# KiCad board Phoenix612 Complete v1.1.kicad_pcb (continued)
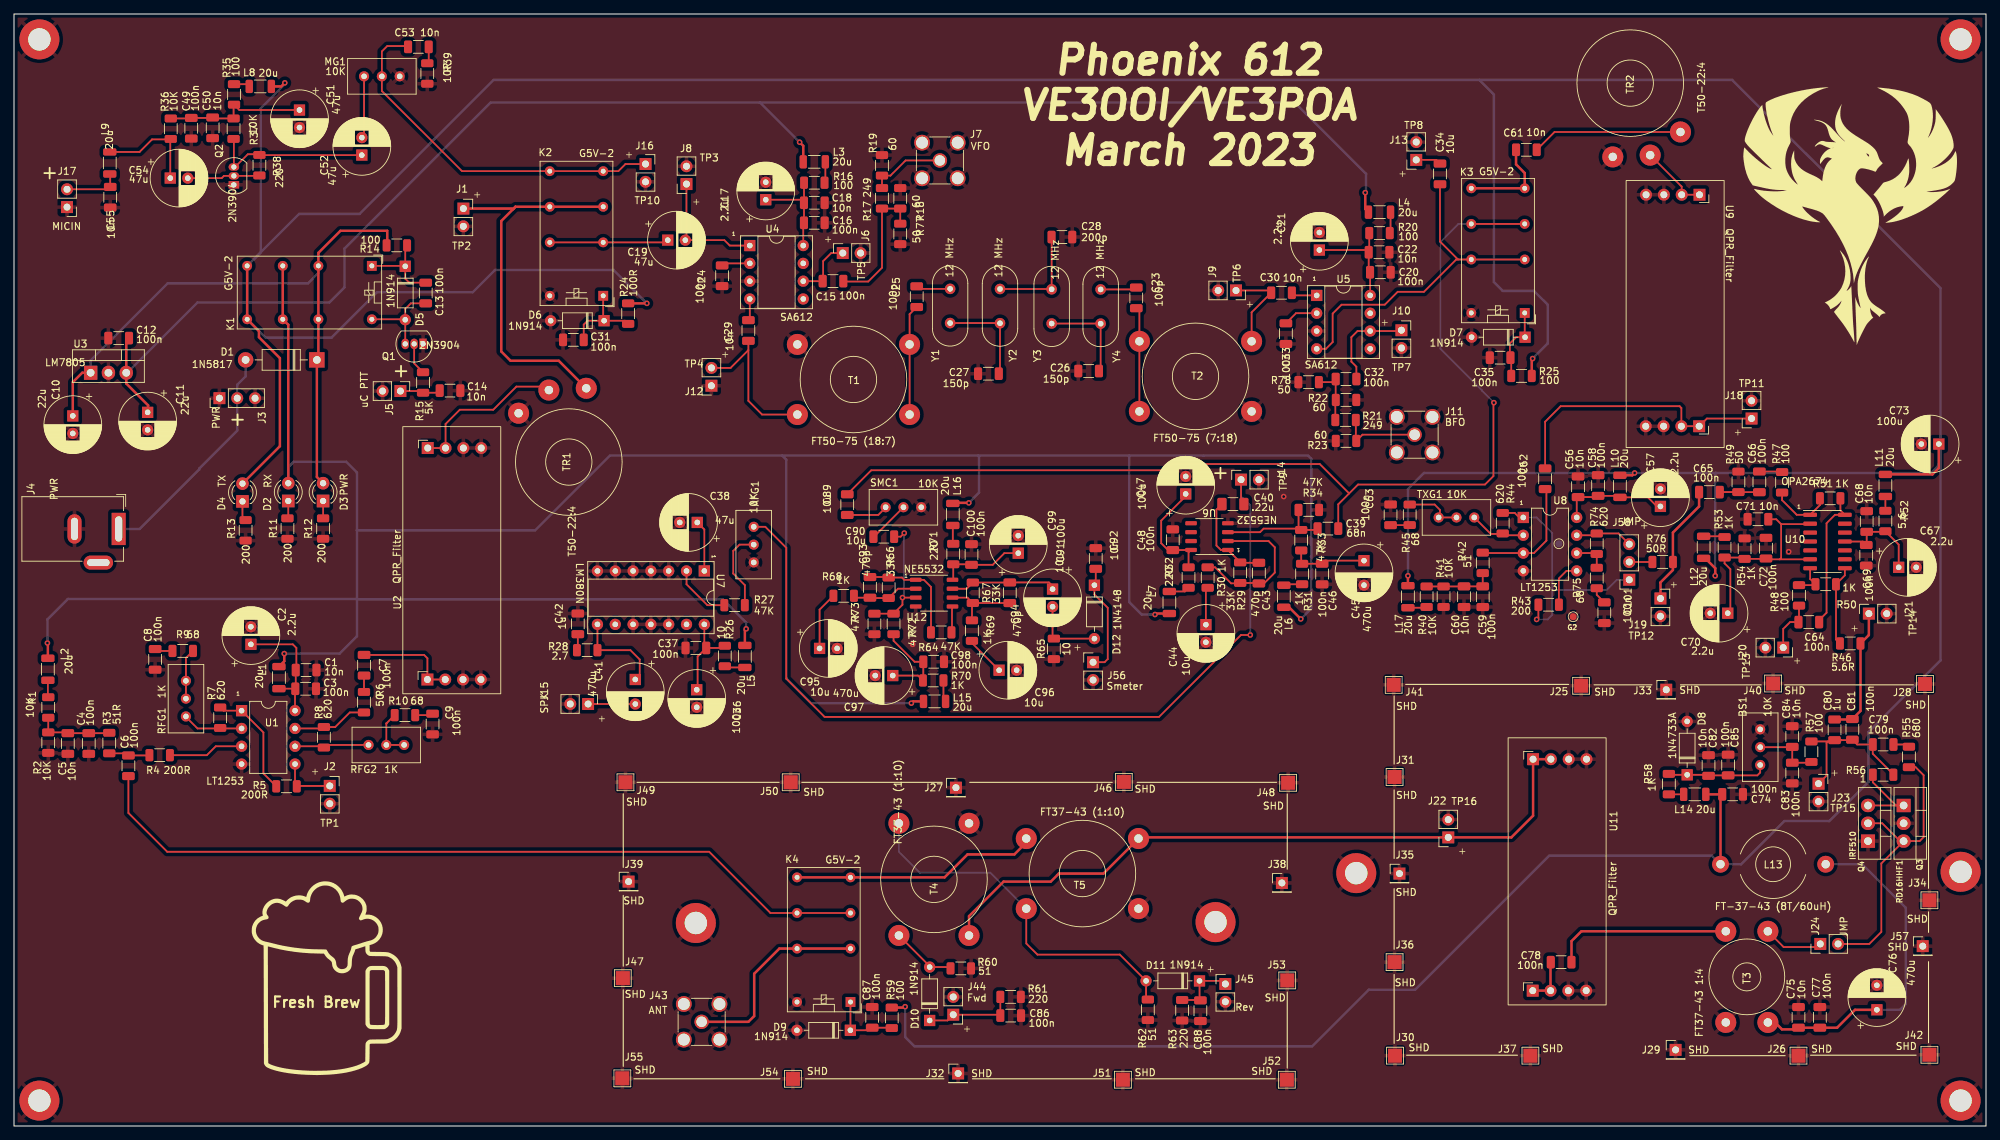
[diagram p0: board, top side]
## Footprints (pads in the part's own frame, mm; a bottom-side part is the same pattern mirrored in y, then rotated)
BarrelJack_GCT_DCJ200-10-A_Horizontal
  rect 4.6x2 hole 3.6x1: 1(0,0)
  oval 4.2x2 hole 3.2x1: 2(0,-6.3)
  oval 2x4.2 hole 1x3.2: 3(4.8,-2.9)
C_1206_3216Metric
  rrect 1.15x1.8 smd: 1(-1.475,0) 2(1.475,0)
C_1206_3216Metric_Pad1.33x1.80mm_HandSolder
  rrect 1.325x1.8 smd: 1(-1.562,0) 2(1.562,0)
CP_Radial_D8.0mm_P2.50mm
  rect 1.6x1.6 hole 0.8: 1(0,0)
  round 1.6 hole 0.8: 2(2.5,0)
CP_Radial_D8.0mm_P3.50mm
  rect 1.6x1.6 hole 0.8: 1(0,0)
  round 1.6 hole 0.8: 2(3.5,0)
Crystal_HC49-4H_Vertical
  round 1.5 hole 0.8: 1(0,0) 2(4.88,0)
D_DO-35_SOD27_P7.62mm_Horizontal
  rect 1.6x1.6 hole 0.8: 1(0,0)
  oval 1.6x1.6 hole 0.8: 2(7.62,0)
D_DO-41_SOD81_P10.16mm_Horizontal
  rect 2.2x2.2 hole 1.1: 1(0,0)
  oval 2.2x2.2 hole 1.1: 2(10.16,0)
DIP-8_W7.62mm
  rect 1.6x1.6 hole 0.8: 1(0,0)
  oval 1.6x1.6 hole 0.8: 2(0,-2.54) 3(0,-5.08) 4(0,-7.62) 5(7.62,-7.62) 6(7.62,-5.08) 7(7.62,-2.54) 8(7.62,0)
DIP-8_W7.62mm_Socket
  rect 1.6x1.6 hole 0.8: 1(0,0)
  oval 1.6x1.6 hole 0.8: 2(0,-2.54) 3(0,-5.08) 4(0,-7.62) 5(7.62,-7.62) 6(7.62,-5.08) 7(7.62,-2.54) 8(7.62,0)
DIP-14_W7.62mm_Socket
  rect 1.6x1.6 hole 0.8: 1(0,0)
  oval 1.6x1.6 hole 0.8: 2(0,-2.54) 3(0,-5.08) 4(0,-7.62) 5(0,-10.16) 6(0,-12.7) 7(0,-15.24) 8(7.62,-15.24) 9(7.62,-12.7) 10(7.62,-10.16) 11(7.62,-7.62) 12(7.62,-5.08) 13(7.62,-2.54) 14(7.62,0)
L_1206_3216Metric
  rrect 1.05x1.9 smd: 1(-1.575,0) 2(1.575,0)
L_Toroid_Horizontal_D9.5mm_P15.00mm_Diameter10-5mm_Amidon-T37
  round 2.4 hole 1.2: 1(0,0) 2(15,0)
LED_D3.0mm
  rect 1.8x1.8 hole 0.9: 1(0,0)
  round 1.8 hole 0.9: 2(2.54,0)
MountingHole_3.2mm_M3_ISO7380_Pad_TopBottom
  round 3.6 hole 3.2: 1(0,0)
  round 5.7 smd: 1(0,0)
  round 5.7 smd far side: 1(0,0)
PinHeader_1x01_P2.54mm_Vertical
  rect 1.7x1.7 hole 1: 1(0,0)
PinHeader_1x02_P2.54mm_Vertical
  rect 1.7x1.7 hole 1: 1(0,0)
  oval 1.7x1.7 hole 1: 2(0,-2.54)
PinHeader_1x03_P2.54mm_Vertical
  rect 1.7x1.7 hole 1: 1(0,0)
  oval 1.7x1.7 hole 1: 2(0,-2.54) 3(0,-5.08)
PinSocket_1x02_P2.54mm_Vertical
  rect 1.7x1.7 hole 1: 1(0,0)
  oval 1.7x1.7 hole 1: 2(0,-2.54)
PinSocket_1x03_P2.54mm_Vertical
  rect 1.7x1.7 hole 1: 1(0,0)
  oval 1.7x1.7 hole 1: 2(0,-2.54) 3(0,-5.08)
Potentiometer_Bourns_3296W_Vertical
  round 1.44 hole 0.8: 1(0,0) 2(-2.54,0) 3(-5.08,0)
QRPLabs_Filter_TH
  rect 1.7x1.7 hole 1: 1(-10.16,5.38) 8(22.86,5.334)
  oval 1.7x1.7 hole 1: 2(-10.16,2.84) 3(-10.16,0.3) 4(-10.16,-2.24) 5(22.86,-2.286) 6(22.86,0.254) 7(22.86,2.794)
R_1206_3216Metric
  rrect 1.125x1.75 smd: 1(-1.462,0) 2(1.462,0)
Relay_DPDT_Omron_G5V-2
  rect 1.4x1.4 hole 0.7: 1(0,0)
  round 1.4 hole 0.7: 4(0,-7.62) 6(0,-12.7) 8(0,-17.78) 9(7.62,-17.78) 11(7.62,-12.7) 13(7.62,-7.62) 16(7.62,0)
SMA_Amphenol_901-144_Vertical
  round 2.05 hole 1.5: 1(0,0)
  round 2.25 hole 1.7: 2(-2.54,2.54) 2(-2.54,-2.54) 2(2.54,2.54) 2(2.54,-2.54)
SOIC-14_3.9x8.7mm_P1.27mm
  rrect 1.95x0.6 smd: 1(-2.475,3.81) 2(-2.475,2.54) 3(-2.475,1.27) 4(-2.475,0) 5(-2.475,-1.27) 6(-2.475,-2.54) 7(-2.475,-3.81) 8(2.475,-3.81) 9(2.475,-2.54) 10(2.475,-1.27) 11(2.475,0) 12(2.475,1.27) 13(2.475,2.54) 14(2.475,3.81)
SOP-8_3.9x4.9mm_P1.27mm
  rrect 1.65x0.6 smd: 1(-2.625,1.905) 2(-2.625,0.635) 3(-2.625,-0.635) 4(-2.625,-1.905) 5(2.625,-1.905) 6(2.625,-0.635) 7(2.625,0.635) 8(2.625,1.905)
T50-1Tap-Close
  round 3 hole 1.2: 1(4.572,-8.636) 2(1.27,-4.318) 3(1.016,1.016)
TestPoint_Pad_2.0x2.0mm
  rect 2x2 smd: 1(0,0)
TestPoint_Pad_D1.0mm
  round 1 smd far side: 1(0,0)
TestPoint_Pad_D1.0mm#2
  round 1 smd: 1(0,0)
TO-92_Inline
  rect 1.05x1.5 hole 0.75: 1(0,0)
  oval 1.05x1.5 hole 0.75: 2(1.27,0) 3(2.54,0)
TO-220-3
  rect 1.905x2 hole 1.1: 1(0,0)
  oval 1.905x2 hole 1.1: 2(2.54,0) 3(5.08,0)
TO-220-3_REV
  rect 1.905x2 hole 1.1: 1(5.08,0)
  oval 1.905x2 hole 1.1: 2(2.54,0) 3(0,0)
TO-220-3_Vertical
  rect 1.905x2 hole 1.1: 1(0,0)
  oval 1.905x2 hole 1.1: 2(2.54,0) 3(5.08,0)
Transformer_Toroid_Horizontal_D10.5mm_Amidon-T37
  round 3 hole 1.2: 1(0,0) 2(13,0) 3(0,6) 4(13,6)
Transformer_Toroid_Horizontal_D14.0mm_Amidon-T50
  round 3 hole 1.2: 1(0,0) 2(16,0) 3(0,10) 4(16,10)

## Nets
5V: C11.1 C12.1 L3.1 L4.1 U3.3
12V: C10.1 D1.1 D3.2 K1.4 K1.13 R14.2 U3.1
GND: AFG1.1 BS1.1 C1.2 C2.2 C3.2 C4.2 C5.2 C8.2 C9.2 C10.2 C11.2 C12.2 C14.1 C16.2 C17.2 C18.2 C20.2 C21.2 C22.2 C24.2 C26.2 C27.2 C28.2 C31.2 C33.2 C35.2 C36.2 C37.2 C38.2 C42.2 C44.2 C45.2 C46.2 C47.2 C48.2 C49.2 C50.2 C51.2 C55.2 C56.2 C57.2 C58.2 C59.2 C60.2 C63.2 C67.2 C68.2 C69.2 C70.2 C71.2 C72.2 C73.2 C74.2 C75.2 C76.2 C77.2 C82.2 C83.2 C84.2 C85.2 C86.2 C87.2 C88.2 C92.2 C95.2 C96.2 C97.2 C98.2 C99.2 C100.2 C101.2 D6.2 D7.2 D8.2 D9.2 G1.1 G2.1 H1.1 H2.1 H3.1 H4.1 H5.1 H6.1 H7.1 H8.1 J1.2 J2.2 J3.1 J3.3 J4.2 J5.2 J6.2 J7.2 J8.2 J9.2 J10.2 J11.2 J12.1 J13.2 J14.2 J15.2 J16.2 J17.1 J18.2 J19.2 J20.2 J21.2 J22.2 J23.2 J25.1 J26.1 J27.1 J28.1 J29.1 J30.1 J31.1 J32.1 J33.1 J34.1 J35.1 J36.1 J37.1 J38.1 J39.1 J40.1 J41.1 J42.1 J43.2 J44.2 J45.2 J46.1 J47.1 J48.1 J49.1 J50.1 J51.1 J52.1 J53.1 J54.1 J55.1 J56.2 J57.1 K2.16 K3.16 K4.16 MG1.1 Q1.1 Q2.1 Q3.2 Q4.1 R2.2 R11.2 R12.2 R13.2 R18.2 R19.2 R22.2 R23.2 R34.2 R39.1 R41.2 R49.1 R54.2 R60.1 R61.1 R62.1 R63.1 R65.1 R73.2 R77.2 R78.2 SMC1.1 T1.3 T2.2 T3.3 T4.3 T5.3 TR1.1 TR2.3 U1.4 U2.3 U2.4 U2.5 U2.6 U3.2 U4.3 U5.3 U6.4 U7.3 U7.4 U7.5 U7.6 U7.7 U7.10 U7.11 U7.12 U8.4 U9.3 U9.4 U9.5 U9.6 U10.4 U11.3 U11.4 U11.5 U11.6 U12.4
VCC: D1.2 J3.2 J4.1
AF_12V: C47.1 C48.1 R32.2 U6.8
AF_BIAS: C39.2 R33.1 R34.1 U6.3
ANT: J43.1 K4.4 K4.13
ANT_IN: C6.1 K4.6 K4.11
ANT_OUT: K4.8 K4.9 T5.2
IFAFOUT: C39.1 C89.1 K3.6 K3.11
IFMICIN: C53.1 J16.1 K2.8 K2.9 MG1.2
IFPAOUT: C61.1 K3.8 K3.9
IFRFIN: J1.1 K2.6 K2.11 TR1.3
M2_12V: C75.1 C76.1 C77.1 L13.2 T3.1
PA_DRIVER_IN: C65.1 J19.1 R76.2
PA_IN: C80.2 C81.2 J21.1 R46.2
PA_OUT: J22.1 T4.4 T5.1 U11.7 U11.8
RX12V: D2.2 K1.6 K1.11 L1.1 L2.1 L5.1 L6.1 L7.1 L15.1 L16.1
SM_12V: C99.1 C100.1 R71.2 U12.8
SM_BIAS: C90.2 R72.1 R73.1 U12.3
TX12V: C73.1 C74.1 D4.2 K1.8 K1.9 L8.1 L10.1 L11.2 L12.2 L13.1 L14.2 L17.1 R24.2 R25.2 R59.2
U1_6V: C70.1 C71.1 C72.1 R53.2 R54.1 U10.2 U10.6
U1_12V: C67.1 C68.1 C69.1 R52.2 U10.11
Net-(C1-Pad1): C1.1 C2.1 C3.1 L1.2 U1.8
Net-(C4-Pad1): C4.1 C5.1 R1.2 R2.1 R3.2
Net-(C6-Pad2): C6.2 R3.1 R4.1
Net-(C7-Pad1): C7.1 R6.2
Net-(C7-Pad2): C7.2 U2.1 U2.2
Net-(C8-Pad1): C8.1 R9.2
Net-(C9-Pad1): C9.1 R10.2
Net-(C13-Pad1): C13.1 D5.1 K1.1 R14.1
Net-(C13-Pad2): C13.2 D5.2 K1.16 Q1.3
Net-(C14-Pad2): C14.2 J5.1 R15.2
Net-(C15-Pad1): C15.1 R17.1 R18.1 R77.1
Net-(C15-Pad2): C15.2 J6.1 U4.6
Net-(C16-Pad1): C16.1 C17.1 C18.1 R16.2 U4.8
Net-(C19-Pad1): C19.1 K2.4 K2.13
Net-(C19-Pad2): C19.2 J8.1 U4.1
Net-(C20-Pad1): C20.1 C21.1 C22.1 R20.2 U5.8
Net-(C23-Pad1): C23.1 Y4.2
Net-(C23-Pad2): C23.2 T2.1 T2.3
Net-(C24-Pad1): C24.1 U4.2
Net-(C25-Pad1): C25.1 T1.2 T1.4
Net-(C25-Pad2): C25.2 Y1.1
Net-(C26-Pad1): C26.1 Y3.2 Y4.1
Net-(C27-Pad1): C27.1 Y1.2 Y2.1
Net-(C28-Pad1): C28.1 Y2.2 Y3.1
Net-(C29-Pad1): C29.1 U4.4
Net-(C29-Pad2): C29.2 J12.2 T1.1
Net-(C30-Pad1): C30.1 J9.1 T2.4
Net-(C30-Pad2): C30.2 U5.1
Net-(C31-Pad1): C31.1 D6.1 K2.1 R24.1
Net-(C32-Pad2): C32.2 J10.1 U5.6
Net-(C33-Pad1): C33.1 U5.2
Net-(C34-Pad1): C34.1 K3.4 K3.13 U5.4
Net-(C34-Pad2): C34.2 J13.1
Net-(C35-Pad1): C35.1 D7.1 K3.1 R25.1
Net-(C36-Pad1): C36.1 C37.1 R26.2 U7.14
Net-(C38-Pad1): C38.1 U7.1
Net-(C40-Pad1): C40.1 C43.2 R29.2 U6.1
Net-(C40-Pad2): AFG1.3 C40.2 J14.1
Net-(C41-Pad1): C41.1 R28.1 U7.8
Net-(C41-Pad2): C41.2 J15.1
Net-(C42-Pad1): C42.1 R28.2
Net-(C43-Pad1): C43.1 R29.1 R30.1 U6.2
Net-(C44-Pad1): C44.1 R30.2
Net-(C45-Pad1): C45.1 C46.1 R31.2 R33.2
Net-(C49-Pad1): C49.1 C50.1 C51.1 R35.2 R36.1 R37.1
Net-(C52-Pad1): C52.1 Q2.3 R37.2 R38.2
Net-(C52-Pad2): C52.2 MG1.3
Net-(C53-Pad2): C53.2 R39.2
Net-(C54-Pad1): C54.1 L9.2 R36.2
Net-(C54-Pad2): C54.2 Q2.2 R38.1
Net-(C55-Pad1): C55.1 J17.2 L9.1
Net-(C56-Pad1): C56.1 C57.1 C58.1 L10.2 U8.8
Net-(C59-Pad1): C59.1 C60.1 R40.2 R41.1 R42.2
Net-(C61-Pad2): C61.2 TR2.1
Net-(C62-Pad1): C62.1 J18.1 U9.7 U9.8
Net-(C62-Pad2): C62.2 R42.1 U8.3
Net-(C63-Pad1): C63.1 R45.2
Net-(C64-Pad1): C64.1 R51.2 U10.14
Net-(C64-Pad2): C64.2 J20.1 R48.1
Net-(C65-Pad2): C65.2 C66.1 R49.2
Net-(C66-Pad2): C66.2 R47.1
Net-(C78-Pad1): C78.1 T3.4
Net-(C78-Pad2): C78.2 U11.1 U11.2
Net-(C79-Pad1): C79.1 R55.2
Net-(C79-Pad2): C79.2 C80.1 C81.1 J23.1 R56.2 R57.2
Net-(C82-Pad1): BS1.3 C82.1 C85.1 D8.1 R58.2
Net-(C83-Pad1): BS1.2 C83.1 C84.1 R57.1
Net-(C86-Pad1): C86.1 D10.1 J44.1 R61.2
Net-(C87-Pad1): C87.1 D9.1 K4.1 R59.1
Net-(C88-Pad1): C88.1 D11.1 J45.1 R63.2
Net-(C89-Pad2): C89.2 SMC1.3
Net-(C90-Pad1): C90.1 SMC1.2
Net-(C91-Pad1): C91.1 C94.2 R67.2 U12.7
Net-(C91-Pad2): C91.2 D12.2 R65.2
Net-(C92-Pad1): C92.1 D12.1 J56.1
Net-(C93-Pad1): C93.1 R66.1 R68.1 U12.2
Net-(C93-Pad2): C93.2 R64.1 R66.2 U12.1
Net-(C94-Pad1): C94.1 R67.1 R69.1 U12.6
Net-(C95-Pad1): C95.1 R68.2
Net-(C96-Pad1): C96.1 R69.2
Net-(C97-Pad1): C97.1 C98.1 R70.2 R72.2
Net-(C101-Pad1): C101.1 R75.2
Net-(D2-Pad1): D2.1 R11.1
Net-(D3-Pad1): D3.1 R12.1
Net-(D4-Pad1): D4.1 R13.1
Net-(D10-Pad2): D10.2 R60.2 T4.2
Net-(D11-Pad2): D11.2 R62.2 T4.1 T5.4
Net-(J2-Pad1): J2.1 R5.2 U1.5
Net-(J7-Pad1): J7.1 R17.2 R19.1
Net-(J11-Pad1): J11.1 R21.2 R23.1
Net-(J24-Pad1): J24.1 T3.2
Net-(J24-Pad2): J24.2 Q3.3 Q4.2 R55.1
Net-(J58-Pad1): J58.1 R43.1 R44.2 U8.1
Net-(J58-Pad2): J58.2 R76.1
Net-(J58-Pad3): J58.3 R74.2 U8.7
Net-(L2-Pad2): L2.2 R1.1
Net-(L3-Pad2): L3.2 R16.1
Net-(L4-Pad2): L4.2 R20.1
Net-(L5-Pad2): L5.2 R26.1
Net-(L6-Pad2): L6.2 R31.1
Net-(L7-Pad2): L7.2 R32.1
Net-(L8-Pad2): L8.2 R35.1
Net-(L11-Pad1): L11.1 R52.1
Net-(L12-Pad1): L12.1 R53.1
Net-(L14-Pad1): L14.1 R58.1
Net-(L15-Pad2): L15.2 R70.1
Net-(L16-Pad2): L16.2 R71.1
Net-(Q1-Pad2): Q1.2 R15.1
Net-(Q3-Pad1): Q3.1 Q4.3 R56.1
Net-(R4-Pad2): R4.2 U1.3
Net-(R5-Pad1): R5.1 R7.2 U1.1
Net-(R6-Pad1): R6.1 R8.1 U1.7
Net-(R8-Pad2): R8.2 RFG2.3 U1.6
Net-(R9-Pad1): R9.1 RFG1.1 RFG1.2
Net-(R10-Pad1): R10.1 RFG2.1 RFG2.2
Net-(R21-Pad1): C32.1 R21.1 R22.1 R78.1
Net-(R27-Pad1): AFG1.2 R27.1
Net-(R27-Pad2): R27.2 U7.2
Net-(R40-Pad1): L17.2 R40.1
Net-(R43-Pad2): R43.2 U8.5
Net-(R44-Pad1): R44.1 TXG1.3 U8.2
Net-(R45-Pad1): R45.1 TXG1.1 TXG1.2
Net-(R46-Pad1): R46.1 R50.2 U10.8
Net-(R47-Pad2): R47.2 R51.1 U10.1
Net-(R48-Pad2): R48.2 R50.1 U10.7
Net-(R64-Pad2): R64.2 U12.5
Net-(R74-Pad1): R74.1 R75.1 U8.6
Net-(RFG1-Pad3): R7.1 RFG1.3 U1.2
Net-(TR1-Pad2): TR1.2 U2.7 U2.8
Net-(TR2-Pad2): TR2.2 U9.1 U9.2

Pads without a net: J4 3; U4 5 7; U5 5 7; U6 5 6 7; U7 9 13; U10 3 5 9 10 12 13

## Via types
v1: diameter 0.8, hole 0.4, Top to Bottom, 24 vias

## Routing (per net, layer and track width the routed paths; a pad name or vN(x,y) marks a point on that pad's centre or on a via; arc(x,y) is an arc through that point)
5V: length 229
  Top w0.35: C11.1 19.11,101.86 19.11,102.81 16,105.92 U3.3 16,112 C12.1 ; v1(112.01,140.33) 112.53,139.81 L3.1 ; L4.1 192.67,130.81 v1(192.67,133.15)
  Bottom w0.35: v1(112.01,140.33) 106.36,145.99 ; 106.36,145.99 67.95,145.99 47.12,125.16 47.12,119.63 44.96,117.47 26.16,117.47 16.14,107.45 U3.3 ; 106.36,145.99 182.63,145.99 192.79,135.83 192.79,133.27 v1(192.67,133.15)
12V: length 94.9
  Top w0.35: D3.2 43.18,92.58 D1.1 43.4,109.5 K1.13 K1.4 43.4,124.55 46.55,127.7 53.21,127.7 53.21,125.71 R14.2 ; C10.1 8.38,106.11 9.72,107.45 U3.1
  Bottom w0.35: U3.1 10.92,109.22 21.91,120.21 41.91,120.21 43.4,121.7 K1.4
GND:
  vias: v1(128.14,68.71) v1(181.04,89.79) v1(253.05,81.91)
VCC: length 33.4
  Bottom w0.35: D1.2 33.02,106.93 31.83,105.74 J3.2 31.83,99.2 26.42,93.79 26.42,93.66 17.92,85.17 J4.1
AF_12V: length 15.8
  Top w0.25: R32.2 167.47,81.81 U6.8 167.82,82.15 C48.1 164.54,82.15 163.58,83.12 163.58,86.36 167.07,89.85 C47.1
AF_BIAS: length 16.2
  Top w0.25: R33.1 185.68,85.03 C39.2 ; R33.1 183.35,85.22 178.18,85.22 177.67,84.71 U6.3 ; R33.1 183.15,85.41 R34.1
ANT: length 28.3
  Top w0.35: K4.4 109.13,25.31 105.54,21.72 105.54,15.68 104.71,14.86 98.87,14.86
ANT_IN: length 114.1
  Top w0.25: C6.1 16.31,44.65 21.84,39.12 99.12,39.12 107.85,30.39 K4.6
ANT_OUT: length 34.6
  Top w0.35: 144.21,40.31 142.64,38.73 135.95,38.73 132.68,35.47 K4.8 111.65,35.47
IFAFOUT: length 152
  Top w0.25: C89.1 122.23,93.54 164.27,93.54 165.16,94.42 186.18,94.42 190.37,90.23 ; 190.37,90.23 191.64,91.5 209.74,91.5 210.95,92.71 210.95,103.12 v1(211.01,103.19) ; 190.37,90.23 188.82,88.68 C39.1 ; K3.11 K3.6
  Bottom w0.25: v1(211.01,103.19) 209.3,104.9 209.3,104.97 203.39,110.87 203.39,126.11 205.96,128.68 K3.11
IFMICIN: length 52.5
  Top w0.25: J16.1 87.19,137.22 86.17,136.21 K2.8 K2.9 63.88,136.21 52.45,147.64 52.45,153.29 53.21,154.05 56.07,154.05 C53.1
IFPAOUT: length 13.6
  Top w0.35: C61.1 214.17,137.17 215.41,135.94 K3.8 K3.9
IFRFIN: length 55.8
  Top w0.35: K2.6 K2.11 71.5,131.13 ; 71.5,131.13 71.25,130.87 J1.1 ; 71.5,131.13 69.47,129.1 69.47,110.49 70.8,109.16 77.67,109.16 TR1.3
M2_12V: length 49.3
  Top w0.35: T3.1 251.1,14.77 252.09,13.78 254.2,13.78 C75.1 C77.1 259.95,14.02 262.51,16.57 C76.1
  Bottom w0.35: L13.2 263.52,37.34 269.75,31.11 269.75,17.4 268.92,16.57 C76.1
PA_DRIVER_IN: length 17.5
  Top w0.35: C65.1 240.27,88.38 236.54,84.65 R76.2 236.54,79.32 234.76,77.53 J19.1
PA_IN: length 18.6
  Top w0.35: J21.1 264.48,70.03 R46.2 263.28,59.21 C81.2 262.06,57.99 C80.2
PA_OUT: length 99.7
  Top w0.35: U11.7 U11.8 216.6,44.26 213.51,41.17 J22.1 160.5,41.17 T5.1 155.34,36 148.97,36 147.83,34.86 141.1,34.86 136.17,29.94 T4.4
RX12V: length 449.9
  Top w0.35: v1(4.76,68.9) 4.83,68.83 L2.1 ; L6.1 181.81,73.99 v1(183.47,72.33) ; v1(127.95,60.32) 128.21,60.57 L15.1 ; K1.6 K1.11 39.11,114.29 D2.2 ; L5.1 104.21,70.73 v1(104.4,70.92) ; L16.1 133.93,88.89 v1(136.14,88.89) ; L7.1 162.83,73.1 v1(162.69,72.96) ; L1.1 38.53,66.29 v1(38.53,67.39)
  Bottom w0.35: v1(127.95,60.32) 113.67,60.32 110.11,63.88 110.11,95.06 109.54,95.63 ; D2.2 39.11,93.97 39.88,94.74 47.37,94.74 48.9,93.22 48.9,84.96 ; 159,95.63 159,74.74 160.78,72.96 v1(162.69,72.96) ; 159,95.63 184.53,95.63 184.98,95.19 184.98,73.83 v1(183.47,72.33) ; 159,95.63 137.48,95.63 ; 137.48,95.63 137.6,95.5 137.6,90.35 v1(136.14,88.89) ; 137.48,95.63 109.54,95.63 ; 48.9,84.96 74.3,84.96 84.96,95.63 109.54,95.63 ; 48.9,84.96 48.9,75.18 ; 48.9,75.12 48.9,69.85 46.43,67.39 v1(38.53,67.39) ; 48.9,75.12 101.09,75.12 104.4,71.81 v1(104.4,70.92) ; 48.9,75.12 48.9,75.18 ; v1(4.76,68.9) 4.76,72.26 7.68,75.18 48.9,75.18
SM_12V: length 12.3
  Top w0.25: 133.75,77.9 133.92,78.07 R71.2 136.45,80.13 C100.1 139.55,80.05 141.21,81.71 C99.1
SM_BIAS: length 18.4
  Top w0.25: C90.2 126.42,84.06 v1(126.94,84.58) ; U12.3 v1(126.68,75.37) 126.68,74.35 R72.1 R73.1
  Bottom w0.25: v1(126.94,84.58) 126.87,84.52 126.87,75.56 v1(126.68,75.37)
TX12V: length 820.8
  Top w0.35: R59.2 126.94,16.89 v1(127.06,17.02) ; D4.2 37.91,96.97 37.91,109.54 34.92,112.52 34.92,113.39 K1.9 K1.8 ; L8.1 38.1,148.3 v1(38.61,148.8) ; L10.1 230.75,92.82 v1(231.08,93.15) ; L13.1 243.32,47.06 C74.1 L14.2 ; v1(90.23,117.35) 90.23,117.35 R24.2 ; R25.2 216.41,109.35 v1(216.53,109.47) ; v1(242.57,78.49) 242.57,79.57 241.16,80.97 L12.2 ; 198.75,77.08 v1(198.75,78.49) ; C73.1 274.46,93.86 273.55,92.95 L11.2
  Bottom w0.35: v1(38.61,148.8) 38.61,148.59 35.18,145.16 35.18,124.64 K1.8 40.66,130.11 49.28,130.11 68.39,149.22 208.91,149.22 ; v1(242.57,78.49) 242.57,93.09 242.63,93.15 ; 242.63,93.15 273.3,93.15 274.51,94.36 274.46,94.41 C73.1 274.7,97.28 ; 242.63,93.15 v1(231.08,93.15) 201.04,93.15 198.75,90.87 v1(198.75,78.49) ; 208.91,149.22 211.01,147.13 211.01,120.4 212.28,119.13 216.73,119.13 218.69,117.16 218.69,111.63 v1(216.53,109.47) ; 208.91,149.22 244.98,149.22 274.7,119.51 274.7,97.28 ; 274.7,97.28 274.7,66.42 270.7,62.42 270.64,62.42 264.41,56.2 264.41,49.09 258.83,43.5 252.41,43.5 246.25,37.34 L13.1 242.11,38.55 218.89,38.55 199.77,19.43 193.17,19.43 185.1,11.37 128.4,11.37 127.06,12.7 v1(127.06,17.02) ; v1(90.23,117.35) 85.53,122.05 85.53,122.11 68.58,122.11 65.41,118.94 51.75,118.94 45.28,112.46 35.86,112.46 K1.9
U1_6V: length 32.2
  Top w0.25: 250.14,86.55 251.27,86.55 251.97,85.85 ; 251.78,80.84 249.92,80.84 C72.1 249.76,80.9 R54.1 246.57,81.09 R53.2 243.9,80.26 244.73,79.44 244.73,73.52 C70.1 ; 251.78,80.84 251.97,81.03 251.97,85.85 ; 251.78,80.84 U10.6 ; 251.97,85.85 256.04,85.85 U10.2
U1_12V: length 13.8
  Top w0.25: C67.1 268.73,82.94 R52.2 266.76,84.76 C68.1 264.17,82.95 C69.1 263.61,83.38 U10.11
Net-(C1-Pad1): length 18.1
  Top w0.25: C3.1 40.09,62.38 L1.2 ; C3.1 40.07,62.33 U1.8 ; C3.1 40.17,62.43 40.17,65.04 40.26,65.12 40.26,68.2 39.75,68.71 C2.1
Net-(C4-Pad1): length 10.9
  Top w0.25: R1.2 R2.1 7.56,56.15 C5.1 C4.1 13.53,56.03 R3.2
Net-(C6-Pad2): length 5.9
  Top w0.25: R3.1 16.01,53.16 C6.2 19.27,52.86 R4.1
Net-(C7-Pad1): length 2.3
  Top w0.25: C7.1 49.9,64.24 R6.2
Net-(C7-Pad2): length 14.8
  Top w0.25: C7.2 58.47,67.2 58.95,66.72 U2.1 U2.2
Net-(C8-Pad1): length 2.6
  Top w0.25: C8.1 20.39,67.77 R9.2
Net-(C9-Pad1): length 2.6
  Top w0.25: R10.2 59.48,58.61 C9.1
Net-(C13-Pad1): length 12.8
  Top w0.25: D5.1 55.72,122.7 K1.1 ; D5.1 55.78,125.35 R14.1 ; D5.1 55.78,120.87 56.36,120.3 C13.1
Net-(C13-Pad2): length 13
  Top w0.25: K1.16 55.72,115.08 D5.2 ; D5.2 Q1.3 ; D5.2 55.78,116.55 56.58,117.35 C13.2
Net-(C14-Pad2): length 5.8
  Top w0.25: C14.2 60.39,104.6 R15.2 58.08,104.84 J5.1
Net-(C15-Pad1): length 19.5
  Top w0.25: 118.32,120.46 121.79,120.46 123.76,122.43 R17.1 R18.1 126.36,128.72
Net-(C15-Pad2): length 9
  Top w0.25: U4.6 115.31,120.51 115.36,120.46 115.36,123.37 116.52,124.52 J6.1
Net-(C16-Pad1): length 14.6
  Top w0.25: C17.1 112.2,132.13 C18.1 ; R16.2 112.65,131.71 C18.1 ; C18.1 C16.1 112.53,128.74 U4.8
Net-(C19-Pad1): length 17
  Top w0.25: K2.13 K2.4 92.9,126.05 C19.1
Net-(C19-Pad2): length 17.6
  Top w0.25: J8.1 95.89,126.53 C19.2 101.28,126.36 102.05,125.59 U4.1
Net-(C20-Pad1): length 16.2
  Top w0.25: C21.1 192.84,124.96 C22.1 ; C22.1 193.24,124.72 R20.2 ; C22.1 193.16,121.97 193.37,121.77 U5.8
Net-(C23-Pad1): length 5.2
  Top w0.25: C23.1 159.75,119.33 Y4.2
Net-(C23-Pad2): length 14.9
  Top w0.25: T2.1 T2.3 160.47,116.21 C23.2
Net-(C24-Pad1): length 4.1
  Top w0.25: C24.1 101.26,123.05 U4.2
Net-(C25-Pad1): length 15.8
  Top w0.25: T1.2 T1.4 127.7,115.81 C25.1
Net-(C25-Pad2): length 4.9
  Top w0.25: Y1.1 129.08,119.42 C25.2
Net-(C26-Pad1): length 13.8
  Top w0.25: Y3.2 154.92,114.47 Y4.1 154.94,107.94 C26.1
Net-(C27-Pad1): length 14.4
  Top w0.25: Y1.2 140.57,114.54 Y2.1 140.59,107.49 C27.1
Net-(C28-Pad1): length 14.8
  Top w0.25: Y2.2 147.91,119.4 Y3.1 147.95,126.79 C28.1
Net-(C29-Pad1): length 3.1
  Top w0.25: U4.4 104.91,115.15 C29.1
Net-(C29-Pad2): length 22.7
  Top w0.25: J12.2 102.17,108.14 104.71,110.68 ; C29.2 104.71,110.68 ; 104.71,110.68 104.71,103.44 106.66,101.49 T1.1
Net-(C30-Pad1): length 13.2
  Top w0.25: T2.4 176.47,116.07 C30.1 178.93,119.19 J9.1
Net-(C30-Pad2): length 3.7
  Top w0.25: U5.1 182.59,118.48 C30.2
Net-(C31-Pad1): length 12.5
  Top w0.25: D6.1 81.79,114.87 81.23,114.31 81.23,112.14 ; D6.1 87.12,114.87 R24.1 ; D6.1 84.01,115 K2.1
Net-(C32-Pad2): length 13.8
  Top w0.25: C32.2 191.4,108.32 190.69,109.03 190.69,112.52 191.57,113.4 U5.6 197.71,113.4 J10.1
Net-(C33-Pad1): length 5
  Top w0.25: C33.1 182.79,115.94 U5.2
Net-(C34-Pad1): length 49.1
  Top w0.25: C34.1 203.33,126.18 205.9,123.6 ; U5.4 187.06,110.86 188.02,111.82 188.02,115.89 189.29,117.16 195.45,117.16 197.29,119 201.04,119 205.65,123.6 205.9,123.6 ; 205.9,123.6 K3.13 K3.4
Net-(C34-Pad2): length 3.6
  Top w0.25: C34.2 202.8,137.81 J13.1
Net-(C35-Pad1): length 10.7
  Top w0.25: K3.1 215.41,112.57 D7.1 214.19,112.52 213.3,111.63 213.3,109.68 C35.1 213.48,109.49 R25.1
Net-(C36-Pad1): length 12.4
  Top w0.25: R26.2 101.03,68.19 C37.1 97.47,66.96 97.47,62.99 97.35,62.86 C36.1 ; U7.14 98.43,68.46
Net-(C38-Pad1): length 7.3
  Top w0.25: C38.1 98.43,85.09 U7.1
Net-(C40-Pad1): length 13.3
  Top w0.25: C43.2 174.89,80.34 R29.2 174.84,80.41 U6.1 172.08,82.17 171.45,82.8 171.45,87.92 C40.1
Net-(C40-Pad2): length 124.2
  Top w0.25: AFG1.3 107.12,85.47 110.11,82.49 110.11,63.82 115.57,58.36 163.26,58.36 174.94,70.04 v1(176.28,70.04) ; C40.2 174.96,89.11 J14.1
  Bottom w0.25: v1(176.28,70.04) 176.28,88.52 174.96,89.83 J14.1
Net-(C41-Pad1): length 13.4
  Top w0.25: C41.1 89.22,64.33 89.22,66.55 87.89,67.87 R28.1 83.19,67.87 U7.8
Net-(C41-Pad2): length 6.7
  Top w0.25: J15.1 88.58,60.2 C41.2
Net-(C42-Pad1): length 2.3
  Top w0.25: C42.1 80.39,68 80.27,67.87
Net-(C43-Pad1): length 21.9
  Top w0.25: R30.1 171.26,79.69 173.55,77.41 174.78,77.41 R29.1 177.43,77.47 C43.1 178.23,77.39 179.77,78.93 179.77,82.55 178.88,83.44 U6.2
Net-(C44-Pad1): length 5.4
  Top w0.25: R30.2 169.95,76.52 C44.1
Net-(C45-Pad1): length 11
  Top w0.25: R33.2 183.54,80.33 R31.2 186.51,80.2 C46.1 186.95,80.65 C45.1
Net-(C49-Pad1): length 20.7
  Top w0.25: R36.1 25.2,143.73 C49.1 28.26,143.8 C50.1 28.46,143.73 R37.1 31.31,145.63 R35.2 32.13,144.93 C51.1
Net-(C52-Pad1): length 23.1
  Top w0.25: C52.1 35.01,138.49 R38.2 34.89,138.62 33.34,138.62 31.52,136.8 Q2.3 31.35,140.76 R37.2
Net-(C52-Pad2): length 9.4
  Top w0.25: 49.97,141.37 C52.2 49.91,141.31 MG1.3
Net-(C53-Pad2): length 2.4
  Top w0.25: C53.2 59.13,151.8 R39.2
Net-(C54-Pad1): length 15.1
  Top w0.25: L9.2 17.9,138.95 19.68,140.74 22.29,140.74 R36.2 22.28,140.73 C54.1
Net-(C54-Pad2): length 10.4
  Top w0.25: C54.2 29.61,135.21 29.93,135.53 34.93,135.53 R38.1
Net-(C55-Pad1): length 8.2
  Top w0.25: J17.2 13.38,133.62 C55.1 13.72,135.74 L9.1
Net-(C56-Pad1): length 15.4
  Top w0.25: C57.1 234.26,88.38 232.97,89.67 228.98,89.67 228.77,89.89 C58.1 225.69,89.71 C56.1 222.82,89.52 U8.8
Net-(C59-Pad1): length 9.9
  Top w0.25: R40.2 R41.1 206.74,76.96 C60.1 C59.1 R42.2
Net-(C61-Pad2): length 21.5
  Top w0.25: TR2.1 219.66,141.8 C61.2
Net-(C62-Pad1): length 40.2
  Top w0.25: J18.1 241.38,100.92 U9.8 U9.7 237.74,102.43 237.49,102.68 220.54,102.68 218.31,100.46 C62.1
Net-(C62-Pad2): length 17.3
  Top w0.25: R42.1 209.49,81.72 U8.3 216.73,81.72 218.5,83.5 218.5,90.66 C62.2
Net-(C63-Pad1): length 2.7
  Top w0.25: C63.1 199,85.71 R45.2
Net-(C64-Pad1): length 20.3
  Top w0.25: R51.2 260.43,87.82 U10.14 259.65,87.19 258.44,85.98 258.44,73.22 257.75,72.52 257.75,72.24 C64.1
Net-(C64-Pad2): length 7.6
  Top w0.25: J20.1 252.27,70.91 253.24,71.88 C64.2 254.52,71.96 R48.1
Net-(C65-Pad2): length 5.7
  Top w0.25: C66.1 248.85,90.42 R49.2 245.88,90.42 C65.2
Net-(C66-Pad2): length 3.3
  Top w0.25: C66.2 252.03,93.36 R47.1
Net-(C78-Pad1): length 25.6
  Top w0.35: C78.1 222.07,26.37 223.48,27.77 T3.4
Net-(C78-Pad2): length 6.6
  Top w0.35: C78.2 219.09,23.34 U11.2 U11.1
Net-(C79-Pad1): length 2.3
  Top w0.25: R55.2 269.88,54.42 C79.1
Net-(C79-Pad2): length 21.9
  Top w0.25: J23.1 258.44,49.97 258.44,54.66 258.64,54.86 ; 260.1,54.61 260.53,55.04 ; 260.53,55.04 C80.1 259.4,54.85 ; 260.53,55.04 262.06,55.04 C81.1 262.81,54.42 C79.2 265.03,53.1 267.97,50.16 R56.2 ; 258.64,54.86 259.4,54.86 ; 258.64,54.86 R57.2
Net-(C82-Pad1): length 14.4
  Top w0.25: R58.2 236.1,50.09 D8.1 241.48,50.09 C82.1 241.68,50.01 C85.1 248.58,50.01 248.98,50.42 BS1.3
Net-(C83-Pad1): length 9.6
  Top w0.25: R57.1 256.18,51.82 C83.1 C84.1 253.52,54.04 BS1.2
Net-(C86-Pad1): length 13.1
  Top w0.25: R61.2 140.64,15.75 C86.1 140.52,15.87 J44.1 133.1,15.05 D10.1
Net-(C87-Pad1): length 10.1
  Top w0.25: R59.1 125.11,14.02 C87.1 122,13.65 D9.1 119.27,13.67 K4.1
Net-(C88-Pad1): length 9.3
  Top w0.25: R63.2 169.11,17.97 C88.1 169.04,18.05 D11.1 172.28,20.7 J45.1
Net-(C89-Pad2): length 6
  Top w0.25: C89.2 123.23,87.16 124.28,88.21 SMC1.3
Net-(C90-Pad1): length 6
  Top w0.25: C90.1 122.62,84.06 SMC1.2
Net-(C91-Pad1): length 15.4
  Top w0.25: 133.75,76.63 135.82,76.63 R67.2 141.97,77.53 C94.2 147.57,77.54 148.08,77.03 C91.1
Net-(C91-Pad2): length 10.4
  Top w0.25: D12.2 148.27,69.52 R65.2 148.08,69.72 C91.2
Net-(C92-Pad1): length 16
  Top w0.25: C92.1 154.24,77.33 D12.1 154.05,75.82 155.96,73.91 155.96,66.61 155.5,66.16 J56.1
Net-(C93-Pad1): length 9.5
  Top w0.25: U12.2 126.05,76.64 R66.1 122.1,75.31 C93.1 120.03,75.36 R68.1
Net-(C93-Pad2): length 15.8
  Top w0.25: R64.1 130.74,76.9 129.74,77.9 128.5,77.9 ; C93.2 124.64,78.31 R66.2 126.62,78.23 126.94,77.91 U12.1
Net-(C94-Pad1): length 11.1
  Top w0.25: 133.75,75.36 135.95,75.36 R67.1 ; R67.1 141.97,74.6 C94.1 ; R67.1 136.59,74.47 R69.1
Net-(C95-Pad1): length 8.3
  Top w0.25: R68.2 114.86,73.65 C95.1
Net-(C96-Pad1): length 5.8
  Top w0.25: C96.1 136.59,68.89 R69.2
Net-(C97-Pad1): length 13.7
  Top w0.25: R72.2 125.41,69.21 128.41,66.22 C98.1 129.65,63.6 R70.2 128.9,64.25 C97.1
Net-(C101-Pad1): length 2.5
  Top w0.25: C101.1 225.68,75.77 R75.2
Net-(D2-Pad1): length 2.5
  Top w0.25: 38.99,86.68 39.11,86.8 D2.1
Net-(D3-Pad1): length 2.5
  Top w0.25: D3.1 44.07,86.68
Net-(D4-Pad1): length 2.8
  Top w0.25: D4.1 32.58,86.87 R13.1
Net-(D10-Pad2): length 9.4
  Top w0.25: R60.2 133.35,22.67 D10.2 130.56,22.8 T4.2
Net-(D11-Pad2): length 52.6
  Top w0.25: T5.4 144.34,26.03 145.92,24.45 157.67,24.45 D11.2 161.42,18.29 R62.2
  Bottom w0.25: T4.1 126.17,39.12 129.16,36.13 139.21,36.13 T5.4
Net-(J2-Pad1): length 8
  Top w0.25: J2.1 40.38,48.51 R5.2 40.07,48.7 U1.5
Net-(J7-Pad1): length 10.9
  Top w0.25: R17.2 R19.1 124.97,135.57 127.13,137.73 J7.1
Net-(J11-Pad1): length 11.7
  Top w0.25: J11.1 192.28,98.62 R23.1 191.33,97.79 R21.2
Net-(J24-Pad1): length 8.6
  Top w0.25: T3.2 252.32,25.53 257.11,25.53 J24.1
Net-(J24-Pad2): length 41.8
  Top w0.25: R55.1 271.15,51.18 272.29,50.04 272.29,41.21 271.72,40.64 Q3.3 ; Q3.3 266.26,37.46 266.26,27.69 264.54,25.97 J24.2 ; Q3.3 268.92,40.64 266.38,43.18 Q4.2
Net-(J58-Pad1): length 36.2
  Top w0.25: R43.1 217.36,72.51 v1(217.11,72.26) ; R44.2 213.98,87.45 214.63,86.8 U8.1
  Bottom w0.25: U8.1 217.11,86.8 219.33,84.58 219.33,76.45 ; J58.1 228.54,77.91 227.08,76.45 219.33,76.45 ; 219.33,76.45 219.33,72.9 218.69,72.26 v1(217.11,72.26)
Net-(J58-Pad2): length 3.3
  Top w0.25: J58.2 R76.1
Net-(J58-Pad3): length 8.2
  Top w0.25: J58.3 228.79,84.52 225.68,84.52 225.42,84.26 U8.7
Net-(L2-Pad2): length 2.4
  Top w0.25: R1.1 4.83,61.22 L2.2
Net-(L3-Pad2): length 3
  Top w0.25: L3.2 115.68,134.67 R16.1
Net-(L4-Pad2): length 3
  Top w0.25: R20.1 196.28,127.48 L4.2
Net-(L5-Pad2): length 2.9
  Top w0.25: R26.1 101.53,65.41 L5.2
Net-(L6-Pad2): length 2.7
  Top w0.25: L6.2 181.2,77.28 R31.1
Net-(L7-Pad2): length 2.9
  Top w0.25: R32.1 166.95,76.25 L7.2
Net-(L8-Pad2): length 2.3
  Top w0.25: L8.2 33.22,148.62 R35.1
Net-(L11-Pad1): length 2
  Top w0.25: L11.1 R52.1
Net-(L12-Pad1): length 3
  Top w0.25: L12.1 243.79,84.12 R53.1
Net-(L14-Pad1): length 2.1
  Top w0.25: L14.1 235.97,47.31 R58.1
Net-(L15-Pad2): length 3.1
  Top w0.25: L15.2 132.53,60.87 R70.1
Net-(L16-Pad2): length 2.6
  Top w0.25: L16.2 133.86,83.11 R71.1
Net-(Q1-Pad2): length 4.6
  Top w0.25: Q1.2 57.05,108.79 R15.1
Net-(Q3-Pad1): length 11.9
  Top w0.25: Q4.3 Q3.1 268.35,45.72 265.05,49.02 R56.1
Net-(R4-Pad2): length 10.7
  Top w0.25: U1.3 28.77,54.17 27.5,52.9 R4.2
Net-(R5-Pad1): length 16.1
  Top w0.25: R5.1 35.56,50.28 35.56,56.14 U1.1 29.85,59.25 R7.2
Net-(R6-Pad1): length 10.8
  Top w0.25: R6.1 47.88,58.99 45.8,56.91 R8.1 43.98,56.71 U1.7
Net-(R8-Pad2): length 10.7
  Top w0.25: RFG2.3 44.56,54.36 R8.2 44,54.17 U1.6
Net-(R9-Pad1): length 7.2
  Top w0.25: RFG1.2 RFG1.1 24.51,66.76 25.52,67.77
Net-(R10-Pad1): length 7.3
  Top w0.25: 53.08,57.41 53.11,57.44 ; 53.11,57.44 53.09,57.42 RFG2.2 RFG2.1 ; 53.11,57.44 R10.1
Net-(R21-Pad1): length 8.5
  Top w0.25: R78.1 188.01,106.11 C32.1 188.45,103.58 R22.1 188.4,103.5 R21.1
Net-(R27-Pad1): length 11.7
  Top w0.25: R27.1 104.21,77.15 102.55,78.8 102.55,82.04 103.44,82.93 AFG1.2
Net-(R27-Pad2): length 8.5
  Top w0.25: U7.2 95.89,77.27 98.87,74.29 R27.2
Net-(R40-Pad1): length 2.7
  Top w0.25: L17.2 201.31,73.93 R40.1
Net-(R43-Pad2): length 6.7
  Top w0.25: R43.2 220.28,78.11 221.36,79.18 U8.5
Net-(R44-Pad1): length 8.1
  Top w0.25: TXG1.3 210.57,84.45 212.2,84.45 R44.1 212.53,84.26 U8.2
Net-(R45-Pad1): length 8.3
  Top w0.25: TXG1.2 TXG1.1 203.33,86.99 203.33,87.88 202.56,88.65 R45.1
Net-(R46-Pad1): length 11.5
  Top w0.25: U10.8 261.06,78.55 R50.2 259.79,69.4 R46.1
Net-(R47-Pad2): length 8.9
  Top w0.25: 252.1,90.36 252.1,89.27 254.19,87.19 U10.1 257.5,88.58 R51.1
Net-(R48-Pad2): length 5
  Top w0.25: R48.2 256.74,77.15 R50.1 256.11,78.04 U10.7
Net-(R64-Pad2): length 3.7
  Top w0.25: R64.2 133.75,70.49 133.75,74.09
Net-(R74-Pad1): length 4.9
  Top w0.25: R75.1 R74.1 225.55,81.72 U8.6
Net-(RFG1-Pad3): length 8.7
  Top w0.25: U1.2 29.46,56.71 R7.1 29.32,56.71 26.16,56.71 24.51,58.36 RFG1.3
Net-(TR1-Pad2): length 23.1
  Top w0.25: TR1.2 75.77,105.47 71.63,105.47 68.33,102.17 63.56,102.17 61.53,100.14 U2.7 U2.8
Net-(TR2-Pad2): length 10.1
  Top w0.25: TR2.2 237.79,134 U9.2 U9.1

## Copper pours and planes (outline as drawn; the poured copper is in the pictures)
GND on Top, Bottom: 281.18,0 0,0 0,158.62 281.18,158.62

## Text on the board
F.Silkscreen: 1 | + | Fresh Brew | Phoenix 612 / VE3OOI/VE3POA / March 2023
